# KiCad board IOT-Mess-Sens-Panelized.kicad_pcb (continued)
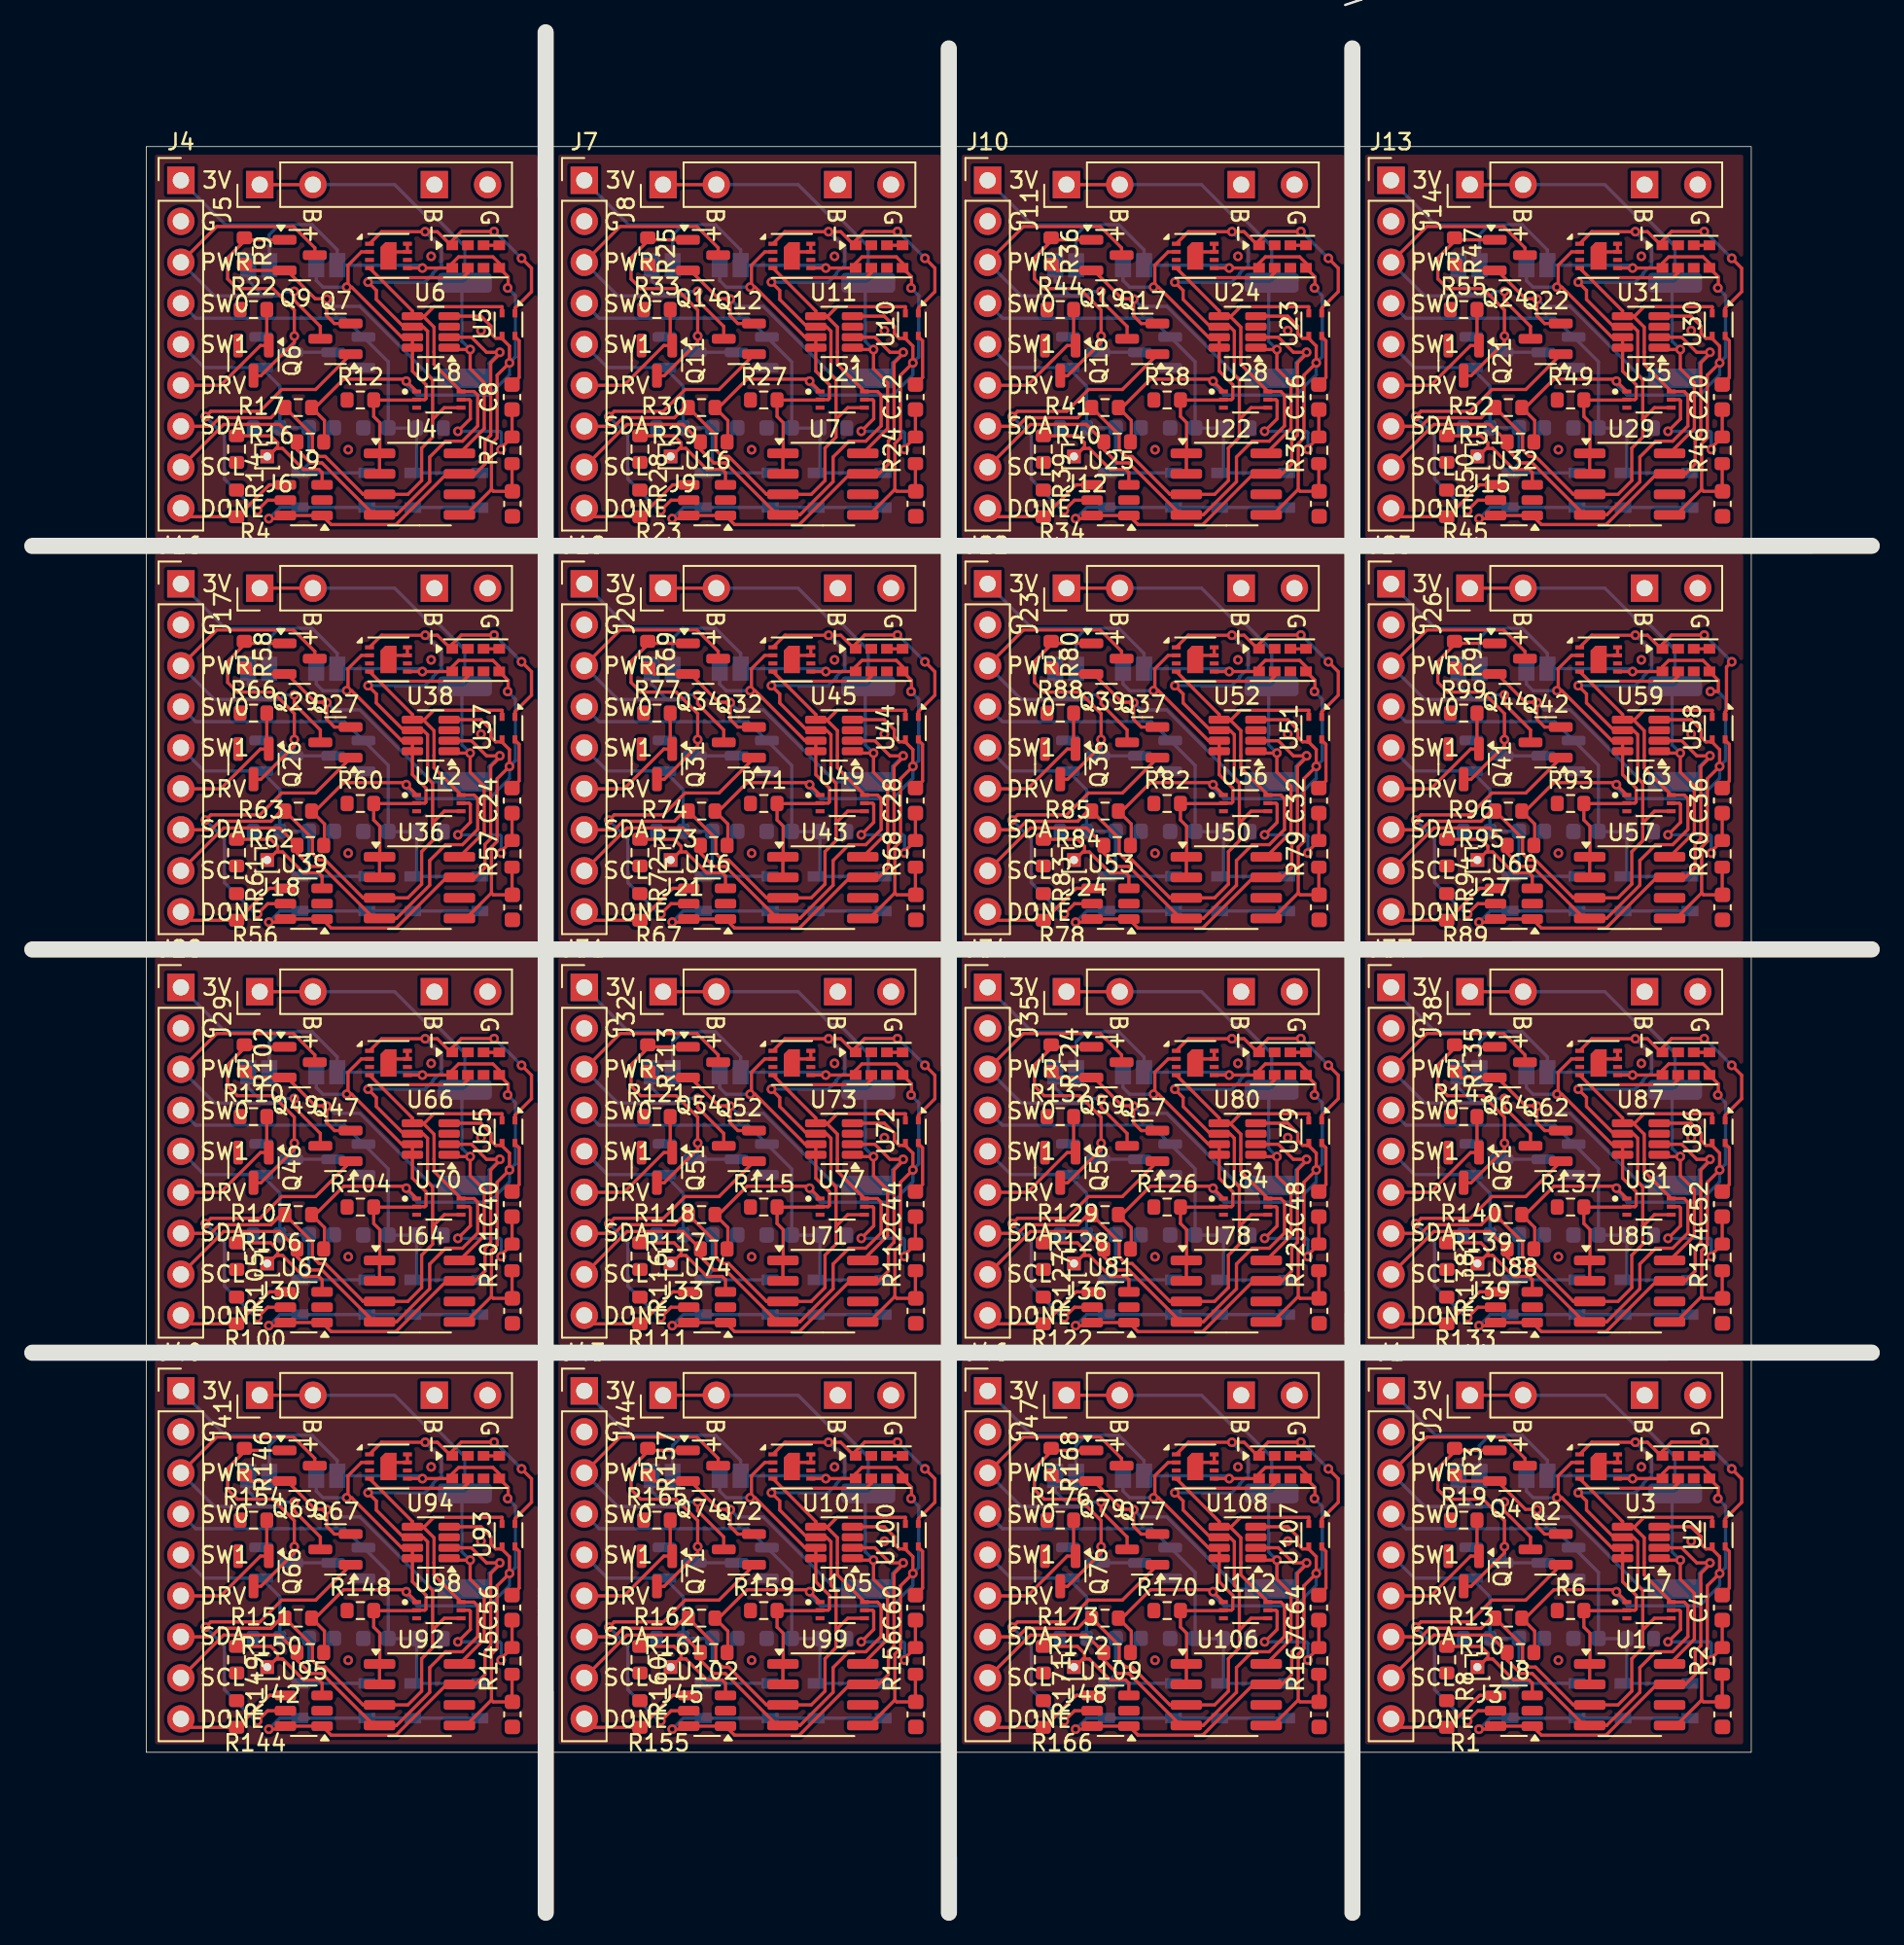
[diagram p0: board, top side]
## Footprints (pads in the part's own frame, mm; a bottom-side part is the same pattern mirrored in y, then rotated)
Avago_APDS-9960
  rect 0.72x0.6 smd: 1(-1.455,0.7) 2(-0.485,0.7) 3(0.485,0.7) 4(1.455,0.7) 5(1.455,-0.7) 6(0.485,-0.7) 7(-0.485,-0.7) 8(-1.455,-0.7)
C_0603_1608Metric
  rrect 0.9x0.95 smd: 1(-0.775,0) 2(0.775,0)
PinHeader_1x01_P1.00mm_Vertical
  rect 0.85x0.85 hole 0.5: 1(0,0)
PinHeader_1x09_P2.54mm_Vertical
  rect 1.7x1.7 hole 1: 1(0,0)
  round 1.7 hole 1: 2(0,-2.54) 3(0,-5.08) 4(0,-7.62) 5(0,-10.16) 6(0,-12.7) 7(0,-15.24) 8(0,-17.78) 9(0,-20.32)
R_0603_1608Metric
  rrect 0.8x0.95 smd: 1(-0.825,0) 2(0.825,0)
R_2512_6332Metric
  rrect 1.225x3.35 smd: 1(-2.962,0) 2(2.962,0)
Sensirion_DFN-4_1.5x1.5mm_P0.8mm_SHT4x_NoCentralPad
  rect 0.5x0.3 smd: 1(-0.7,0.4) 2(-0.7,-0.4) 3(0.7,-0.4) 4(0.7,0.4)
Sensirion_DFN-8-1EP_2.5x2.5mm_P0.5mm_EP1.1x1.7mm
  custom 0.9x1.6 smd: (0,0)
  rect 0.55x0.25 smd: 1(-1.175,0.75) 2(-1.175,0.25) 3(-1.175,-0.25) 4(-1.175,-0.75) 5(1.175,-0.75) 6(1.175,-0.25) 7(1.175,0.25) 8(1.175,0.75)
  custom 1x1.7 smd: 9(0,0)
SOIC-8_3.9x4.9mm_P1.27mm
  rrect 1.95x0.6 smd: 1(-2.475,1.905) 2(-2.475,0.635) 3(-2.475,-0.635) 4(-2.475,-1.905) 5(2.475,-1.905) 6(2.475,-0.635) 7(2.475,0.635) 8(2.475,1.905)
SolderJumper-2_P1.3mm_Open_Pad1.0x1.5mm
  rect 1x1.5 smd: 1(-0.65,0) 2(0.65,0)
SolderJumper-2_P1.3mm_Open_Pad1.0x1.5mm#2
  rect 1x1.5 smd: 1(-0.65,0) 2(0.65,0)
SOT-23
  rrect 1.475x0.6 smd: 1(-0.938,0.95) 2(-0.938,-0.95) 3(0.938,0)
SOT-23-6
  rrect 1.325x0.6 smd: 1(-1.137,0.95) 2(-1.137,0) 3(-1.137,-0.95) 4(1.137,-0.95) 5(1.137,0) 6(1.137,0.95)
SOT-23-8
  rrect 1.325x0.5 smd: 1(-1.137,0.975) 2(-1.137,0.325) 3(-1.137,-0.325) 4(-1.137,-0.975) 5(1.137,-0.975) 6(1.137,-0.325) 7(1.137,0.325) 8(1.137,0.975)
SW_SPST_PTS810
  rect 1.05x0.65 smd: 1(-2.075,1.075) 1(2.075,1.075) 2(-2.075,-1.075) 2(2.075,-1.075)
TP_Charger
  rect 1.7x1.7 hole 1: 1(0,0) 3(0,-10.825)
  round 1.7 hole 1: 2(0,-3.3) 4(0,-14.125)
XDCR_BH1750FVI-TR
  rect 0.55x0.25 smd: 1(-1.375,0.5) 2(-1.375,0) 3(-1.375,-0.5) 4(1.375,-0.5) 5(1.375,0) 6(1.375,0.5)

## Nets
+3.3V: C7.1 C11.1 C15.1 C19.1 C23.1 C27.1 C31.1 C35.1 C39.1 C43.1 C47.1 C51.1 C55.1 C59.1 C63.1 C67.1 J1.1 J4.1 J7.1 J10.1 J13.1 J16.1 J19.1 J22.1 J25.1 J28.1 J31.1 J34.1 J37.1 J40.1 J43.1 J46.1 JP4.2 JP5.2 JP6.2 JP7.2 JP8.2 JP9.2 JP10.2 JP11.2 JP12.2 JP13.2 JP14.2 JP15.2 JP16.2 JP17.2 JP18.2 JP19.2 JP20.2 JP21.2 JP22.2 JP23.2 JP24.2 JP25.2 JP26.2 JP27.2 JP28.2 JP29.2 JP30.2 JP31.2 JP32.2 JP33.2 JP34.2 JP35.2 R2.1 R7.1 R10.1 R13.2 R16.1 R17.2 R24.1 R29.1 R30.2 R35.1 R40.1 R41.2 R46.1 R51.1 R52.2 R57.1 R62.1 R63.2 R68.1 R73.1 R74.2 R79.1 R84.1 R85.2 R90.1 R95.1 R96.2 R101.1 R106.1 R107.2 R112.1 R117.1 R118.2 R123.1 R128.1 R129.2 R134.1 R139.1 R140.2 R145.1 R150.1 R151.2 R156.1 R161.1 R162.2 R167.1 R172.1 R173.2 U1.5 U2.3 U3.4 U4.5 U5.3 U6.4 U7.5 U10.3 U11.4 U12.5 U12.8 U13.5 U14.5 U14.8 U15.5 U17.1 U18.1 U19.5 U19.8 U20.5 U21.1 U22.5 U23.3 U24.4 U26.5 U26.8 U27.5 U28.1 U29.5 U30.3 U31.4 U33.5 U33.8 U34.5 U35.1 U36.5 U37.3 U38.4 U40.5 U40.8 U41.5 U42.1 U43.5 U44.3 U45.4 U47.5 U47.8 U48.5 U49.1 U50.5 U51.3 U52.4 U54.5 U54.8 U55.5 U56.1 U57.5 U58.3 U59.4 U61.5 U61.8 U62.5 U63.1 U64.5 U65.3 U66.4 U68.5 U68.8 U69.5 U70.1 U71.5 U72.3 U73.4 U75.5 U75.8 U76.5 U77.1 U78.5 U79.3 U80.4 U82.5 U82.8 U83.5 U84.1 U85.5 U86.3 U87.4 U89.5 U89.8 U90.5 U91.1 U92.5 U93.3 U94.4 U96.5 U96.8 U97.5 U98.1 U99.5 U100.3 U101.4 U103.5 U103.8 U104.5 U105.1 U106.5 U107.3 U108.4 U110.5 U110.8 U111.5 U112.1
GND: C4.2 C5.2 C6.2 C7.2 C8.2 C9.2 C10.2 C11.2 C12.2 C13.2 C14.2 C15.2 C16.2 C17.2 C18.2 C19.2 C20.2 C21.2 C22.2 C23.2 C24.2 C25.2 C26.2 C27.2 C28.2 C29.2 C30.2 C31.2 C32.2 C33.2 C34.2 C35.2 C36.2 C37.2 C38.2 C39.2 C40.2 C41.2 C42.2 C43.2 C44.2 C45.2 C46.2 C47.2 C48.2 C49.2 C50.2 C51.2 C52.2 C53.2 C54.2 C55.2 C56.2 C57.2 C58.2 C59.2 C60.2 C61.2 C62.2 C63.2 C64.2 C65.2 C66.2 C67.2 J1.2 J2.4 J4.2 J5.4 J7.2 J8.4 J10.2 J11.4 J13.2 J14.4 J16.2 J17.4 J19.2 J20.4 J22.2 J23.4 J25.2 J26.4 J28.2 J29.4 J31.2 J32.4 J34.2 J35.4 J37.2 J38.4 J40.2 J41.4 J43.2 J44.4 J46.2 J47.4 Q1.2 Q3.2 Q5.2 Q6.2 Q8.2 Q10.2 Q11.2 Q13.2 Q15.2 Q16.2 Q18.2 Q20.2 Q21.2 Q23.2 Q25.2 Q26.2 Q28.2 Q30.2 Q31.2 Q33.2 Q35.2 Q36.2 Q38.2 Q40.2 Q41.2 Q43.2 Q45.2 Q46.2 Q48.2 Q50.2 Q51.2 Q53.2 Q55.2 Q56.2 Q58.2 Q60.2 Q61.2 Q63.2 Q65.2 Q66.2 Q68.2 Q70.2 Q71.2 Q73.2 Q75.2 Q76.2 Q78.2 Q80.2 R1.1 R4.1 R5.1 R6.1 R8.1 R11.1 R12.1 R14.1 R18.1 R19.1 R21.1 R22.1 R23.1 R26.1 R27.1 R28.1 R32.1 R33.1 R34.1 R37.1 R38.1 R39.1 R43.1 R44.1 R45.1 R48.1 R49.1 R50.1 R54.1 R55.1 R56.1 R59.1 R60.1 R61.1 R65.1 R66.1 R67.1 R70.1 R71.1 R72.1 R76.1 R77.1 R78.1 R81.1 R82.1 R83.1 R87.1 R88.1 R89.1 R92.1 R93.1 R94.1 R98.1 R99.1 R100.1 R103.1 R104.1 R105.1 R109.1 R110.1 R111.1 R114.1 R115.1 R116.1 R120.1 R121.1 R122.1 R125.1 R126.1 R127.1 R131.1 R132.1 R133.1 R136.1 R137.1 R138.1 R142.1 R143.1 R144.1 R147.1 R148.1 R149.1 R153.1 R154.1 R155.1 R158.1 R159.1 R160.1 R164.1 R165.1 R166.1 R169.1 R170.1 R171.1 R175.1 R176.1 U1.6 U2.4 U3.3 U4.6 U5.4 U6.3 U7.6 U8.2 U9.2 U10.4 U11.3 U12.6 U13.7 U13.8 U13.9 U14.6 U15.7 U15.8 U15.9 U16.2 U17.3 U18.3 U19.6 U20.7 U20.8 U20.9 U21.3 U22.6 U23.4 U24.3 U25.2 U26.6 U27.7 U27.8 U27.9 U28.3 U29.6 U30.4 U31.3 U32.2 U33.6 U34.7 U34.8 U34.9 U35.3 U36.6 U37.4 U38.3 U39.2 U40.6 U41.7 U41.8 U41.9 U42.3 U43.6 U44.4 U45.3 U46.2 U47.6 U48.7 U48.8 U48.9 U49.3 U50.6 U51.4 U52.3 U53.2 U54.6 U55.7 U55.8 U55.9 U56.3 U57.6 U58.4 U59.3 U60.2 U61.6 U62.7 U62.8 U62.9 U63.3 U64.6 U65.4 U66.3 U67.2 U68.6 U69.7 U69.8 U69.9 U70.3 U71.6 U72.4 U73.3 U74.2 U75.6 U76.7 U76.8 U76.9 U77.3 U78.6 U79.4 U80.3 U81.2 U82.6 U83.7 U83.8 U83.9 U84.3 U85.6 U86.4 U87.3 U88.2 U89.6 U90.7 U90.8 U90.9 U91.3 U92.6 U93.4 U94.3 U95.2 U96.6 U97.7 U97.8 U97.9 U98.3 U99.6 U100.4 U101.3 U102.2 U103.6 U104.7 U104.8 U104.9 U105.3 U106.6 U107.4 U108.3 U109.2 U110.6 U111.7 U111.8 U111.9 U112.3
ADDR: JP4.1 JP6.1 JP8.1 JP10.1 JP12.1 JP14.1 JP16.1 JP18.1 JP20.1 JP22.1 JP24.1 JP26.1 JP28.1 JP30.1 JP32.1 JP34.1 R6.2 R12.2 R27.2 R38.2 R49.2 R60.2 R71.2 R82.2 R93.2 R104.2 R115.2 R126.2 R137.2 R148.2 R159.2 R170.2 U1.1 U1.2 U3.7 U3.8 U4.1 U4.2 U6.7 U6.8 U7.1 U7.2 U11.7 U11.8 U13.2 U15.2 U17.2 U18.2 U20.2 U21.2 U22.1 U22.2 U24.7 U24.8 U27.2 U28.2 U29.1 U29.2 U31.7 U31.8 U34.2 U35.2 U36.1 U36.2 U38.7 U38.8 U41.2 U42.2 U43.1 U43.2 U45.7 U45.8 U48.2 U49.2 U50.1 U50.2 U52.7 U52.8 U55.2 U56.2 U57.1 U57.2 U59.7 U59.8 U62.2 U63.2 U64.1 U64.2 U66.7 U66.8 U69.2 U70.2 U71.1 U71.2 U73.7 U73.8 U76.2 U77.2 U78.1 U78.2 U80.7 U80.8 U83.2 U84.2 U85.1 U85.2 U87.7 U87.8 U90.2 U91.2 U92.1 U92.2 U94.7 U94.8 U97.2 U98.2 U99.1 U99.2 U101.7 U101.8 U104.2 U105.2 U106.1 U106.2 U108.7 U108.8 U111.2 U112.2
DONE: J1.9 J4.9 J7.9 J10.9 J13.9 J16.9 J19.9 J22.9 J25.9 J28.9 J31.9 J34.9 J37.9 J40.9 J43.9 J46.9 R1.2 R4.2 R23.2 R34.2 R45.2 R56.2 R67.2 R78.2 R89.2 R100.2 R111.2 R122.2 R133.2 R144.2 R155.2 R166.2 U8.4 U9.4 U16.4 U25.4 U32.4 U39.4 U46.4 U53.4 U60.4 U67.4 U74.4 U81.4 U88.4 U95.4 U102.4 U109.4
EN: J1.6 J4.6 J7.6 J10.6 J13.6 J16.6 J19.6 J22.6 J25.6 J28.6 J31.6 J34.6 J37.6 J40.6 J43.6 J46.6 Q1.1 Q6.1 Q11.1 Q16.1 Q21.1 Q26.1 Q31.1 Q36.1 Q41.1 Q46.1 Q51.1 Q56.1 Q61.1 Q66.1 Q71.1 Q76.1 R19.2 R22.2 R33.2 R44.2 R55.2 R66.2 R77.2 R88.2 R99.2 R110.2 R121.2 R132.2 R143.2 R154.2 R165.2 R176.2
LSW0: C6.1 C10.1 C14.1 C18.1 C22.1 C26.1 C30.1 C34.1 C38.1 C42.1 C46.1 C50.1 C54.1 C58.1 C62.1 C66.1 J1.4 J4.4 J7.4 J10.4 J13.4 J16.4 J19.4 J22.4 J25.4 J28.4 J31.4 J34.4 J37.4 J40.4 J43.4 J46.4 Q5.1 Q10.1 Q15.1 Q20.1 Q25.1 Q30.1 Q35.1 Q40.1 Q45.1 Q50.1 Q55.1 Q60.1 Q65.1 Q70.1 Q75.1 Q80.1 R18.2 R21.2 R32.2 R43.2 R54.2 R65.2 R76.2 R87.2 R98.2 R109.2 R120.2 R131.2 R142.2 R153.2 R164.2 R175.2 SW2.2 SW4.2 SW6.2 SW8.2 SW10.2 SW12.2 SW14.2 SW16.2 SW18.2 SW20.2 SW22.2 SW24.2 SW26.2 SW28.2 SW30.2 SW32.2
LSW1: C5.1 C9.1 C13.1 C17.1 C21.1 C25.1 C29.1 C33.1 C37.1 C41.1 C45.1 C49.1 C53.1 C57.1 C61.1 C65.1 J1.5 J4.5 J7.5 J10.5 J13.5 J16.5 J19.5 J22.5 J25.5 J28.5 J31.5 J34.5 J37.5 J40.5 J43.5 J46.5 Q3.1 Q8.1 Q13.1 Q18.1 Q23.1 Q28.1 Q33.1 Q38.1 Q43.1 Q48.1 Q53.1 Q58.1 Q63.1 Q68.1 Q73.1 Q78.1 R5.2 R11.2 R26.2 R37.2 R48.2 R59.2 R70.2 R81.2 R92.2 R103.2 R114.2 R125.2 R136.2 R147.2 R158.2 R169.2 SW3.2 SW5.2 SW7.2 SW9.2 SW11.2 SW13.2 SW15.2 SW17.2 SW19.2 SW21.2 SW23.2 SW25.2 SW27.2 SW29.2 SW31.2 SW33.2
PWR: J1.3 J4.3 J7.3 J10.3 J13.3 J16.3 J19.3 J22.3 J25.3 J28.3 J31.3 J34.3 J37.3 J40.3 J43.3 J46.3 JP5.1 JP7.1 JP9.1 JP11.1 JP13.1 JP15.1 JP17.1 JP19.1 JP21.1 JP23.1 JP25.1 JP27.1 JP29.1 JP31.1 JP33.1 JP35.1 Q2.3 Q4.3 Q7.3 Q9.3 Q12.3 Q14.3 Q17.3 Q19.3 Q22.3 Q24.3 Q27.3 Q29.3 Q32.3 Q34.3 Q37.3 Q39.3 Q42.3 Q44.3 Q47.3 Q49.3 Q52.3 Q54.3 Q57.3 Q59.3 Q62.3 Q64.3 Q67.3 Q69.3 Q72.3 Q74.3 Q77.3 Q79.3
SCL_0: J1.8 J4.8 J7.8 J10.8 J13.8 J16.8 J19.8 J22.8 J25.8 J28.8 J31.8 J34.8 J37.8 J40.8 J43.8 J46.8 R13.1 R17.1 R30.1 R41.1 R52.1 R63.1 R74.1 R85.1 R96.1 R107.1 R118.1 R129.1 R140.1 R151.1 R162.1 R173.1 U1.4 U2.2 U3.5 U4.4 U5.2 U6.5 U7.4 U10.2 U11.5 U12.7 U13.4 U14.7 U15.4 U17.6 U18.6 U19.7 U20.4 U21.6 U22.4 U23.2 U24.5 U26.7 U27.4 U28.6 U29.4 U30.2 U31.5 U33.7 U34.4 U35.6 U36.4 U37.2 U38.5 U40.7 U41.4 U42.6 U43.4 U44.2 U45.5 U47.7 U48.4 U49.6 U50.4 U51.2 U52.5 U54.7 U55.4 U56.6 U57.4 U58.2 U59.5 U61.7 U62.4 U63.6 U64.4 U65.2 U66.5 U68.7 U69.4 U70.6 U71.4 U72.2 U73.5 U75.7 U76.4 U77.6 U78.4 U79.2 U80.5 U82.7 U83.4 U84.6 U85.4 U86.2 U87.5 U89.7 U90.4 U91.6 U92.4 U93.2 U94.5 U96.7 U97.4 U98.6 U99.4 U100.2 U101.5 U103.7 U104.4 U105.6 U106.4 U107.2 U108.5 U110.7 U111.4 U112.6
SDA_0: J1.7 J4.7 J7.7 J10.7 J13.7 J16.7 J19.7 J22.7 J25.7 J28.7 J31.7 J34.7 J37.7 J40.7 J43.7 J46.7 R10.2 R16.2 R29.2 R40.2 R51.2 R62.2 R73.2 R84.2 R95.2 R106.2 R117.2 R128.2 R139.2 R150.2 R161.2 R172.2 U1.3 U2.1 U3.6 U4.3 U5.1 U6.6 U7.3 U10.1 U11.6 U12.1 U13.1 U14.1 U15.1 U17.4 U18.4 U19.1 U20.1 U21.4 U22.3 U23.1 U24.6 U26.1 U27.1 U28.4 U29.3 U30.1 U31.6 U33.1 U34.1 U35.4 U36.3 U37.1 U38.6 U40.1 U41.1 U42.4 U43.3 U44.1 U45.6 U47.1 U48.1 U49.4 U50.3 U51.1 U52.6 U54.1 U55.1 U56.4 U57.3 U58.1 U59.6 U61.1 U62.1 U63.4 U64.3 U65.1 U66.6 U68.1 U69.1 U70.4 U71.3 U72.1 U73.6 U75.1 U76.1 U77.4 U78.3 U79.1 U80.6 U82.1 U83.1 U84.4 U85.3 U86.1 U87.6 U89.1 U90.1 U91.4 U92.3 U93.1 U94.6 U96.1 U97.1 U98.4 U99.3 U100.1 U101.6 U103.1 U104.1 U105.4 U106.3 U107.1 U108.6 U110.1 U111.1 U112.4
Va: J2.1 J2.2 J5.1 J5.2 J8.1 J8.2 J11.1 J11.2 J14.1 J14.2 J17.1 J17.2 J20.1 J20.2 J23.1 J23.2 J26.1 J26.2 J29.1 J29.2 J32.1 J32.2 J35.1 J35.2 J38.1 J38.2 J41.1 J41.2 J44.1 J44.2 J47.1 J47.2 R15.2 R20.2 R31.2 R42.2 R53.2 R64.2 R75.2 R86.2 R97.2 R108.2 R119.2 R130.2 R141.2 R152.2 R163.2 R174.2 U1.8 U3.1 U4.8 U6.1 U7.8 U11.1 U22.8 U24.1 U29.8 U31.1 U36.8 U38.1 U43.8 U45.1 U50.8 U52.1 U57.8 U59.1 U64.8 U66.1 U71.8 U73.1 U78.8 U80.1 U85.8 U87.1 U92.8 U94.1 U99.8 U101.1 U106.8 U108.1
Vb: Q2.2 Q4.2 Q7.2 Q9.2 Q12.2 Q14.2 Q17.2 Q19.2 Q22.2 Q24.2 Q27.2 Q29.2 Q32.2 Q34.2 Q37.2 Q39.2 Q42.2 Q44.2 Q47.2 Q49.2 Q52.2 Q54.2 Q57.2 Q59.2 Q62.2 Q64.2 Q67.2 Q69.2 Q72.2 Q74.2 Q77.2 Q79.2 R3.1 R9.1 R15.1 R20.1 R25.1 R31.1 R36.1 R42.1 R47.1 R53.1 R58.1 R64.1 R69.1 R75.1 R80.1 R86.1 R91.1 R97.1 R102.1 R108.1 R113.1 R119.1 R124.1 R130.1 R135.1 R141.1 R146.1 R152.1 R157.1 R163.1 R168.1 R174.1 SW2.1 SW3.1 SW4.1 SW5.1 SW6.1 SW7.1 SW8.1 SW9.1 SW10.1 SW11.1 SW12.1 SW13.1 SW14.1 SW15.1 SW16.1 SW17.1 SW18.1 SW19.1 SW20.1 SW21.1 SW22.1 SW23.1 SW24.1 SW25.1 SW26.1 SW27.1 SW28.1 SW29.1 SW30.1 SW31.1 SW32.1 SW33.1 U1.7 U3.2 U4.7 U6.2 U7.7 U8.1 U8.6 U9.1 U9.6 U11.2 U16.1 U16.6 U22.7 U24.2 U25.1 U25.6 U29.7 U31.2 U32.1 U32.6 U36.7 U38.2 U39.1 U39.6 U43.7 U45.2 U46.1 U46.6 U50.7 U52.2 U53.1 U53.6 U57.7 U59.2 U60.1 U60.6 U64.7 U66.2 U67.1 U67.6 U71.7 U73.2 U74.1 U74.6 U78.7 U80.2 U81.1 U81.6 U85.7 U87.2 U88.1 U88.6 U92.7 U94.2 U95.1 U95.6 U99.7 U101.2 U102.1 U102.6 U106.7 U108.2 U109.1 U109.6
Net-(J3-Pin_1): J3.1 J6.1 J9.1 J12.1 J15.1 J18.1 J21.1 J24.1 J27.1 J30.1 J33.1 J36.1 J39.1 J42.1 J45.1 J48.1 R8.2 R14.2 R28.2 R39.2 R50.2 R61.2 R72.2 R83.2 R94.2 R105.2 R116.2 R127.2 R138.2 R149.2 R160.2 R171.2 U8.3 U9.3 U16.3 U25.3 U32.3 U39.3 U46.3 U53.3 U60.3 U67.3 U74.3 U81.3 U88.3 U95.3 U102.3 U109.3
Net-(Q1-D): Q1.3 Q3.3 Q4.1 Q5.3 Q6.3 Q8.3 Q9.1 Q10.3 Q11.3 Q13.3 Q14.1 Q15.3 Q16.3 Q18.3 Q19.1 Q20.3 Q21.3 Q23.3 Q24.1 Q25.3 Q26.3 Q28.3 Q29.1 Q30.3 Q31.3 Q33.3 Q34.1 Q35.3 Q36.3 Q38.3 Q39.1 Q40.3 Q41.3 Q43.3 Q44.1 Q45.3 Q46.3 Q48.3 Q49.1 Q50.3 Q51.3 Q53.3 Q54.1 Q55.3 Q56.3 Q58.3 Q59.1 Q60.3 Q61.3 Q63.3 Q64.1 Q65.3 Q66.3 Q68.3 Q69.1 Q70.3 Q71.3 Q73.3 Q74.1 Q75.3 Q76.3 Q78.3 Q79.1 Q80.3 R3.2 R9.2 R25.2 R36.2 R47.2 R58.2 R69.2 R80.2 R91.2 R102.2 R113.2 R124.2 R135.2 R146.2 R157.2 R168.2
Net-(Q2-G): Q2.1 Q7.1 Q12.1 Q17.1 Q22.1 Q27.1 Q32.1 Q37.1 Q42.1 Q47.1 Q52.1 Q57.1 Q62.1 Q67.1 Q72.1 Q77.1 U8.5 U9.5 U16.5 U25.5 U32.5 U39.5 U46.5 U53.5 U60.5 U67.5 U74.5 U81.5 U88.5 U95.5 U102.5 U109.5
Net-(U12-LDR): U12.3 U12.4 U14.3 U14.4 U19.3 U19.4 U26.3 U26.4 U33.3 U33.4 U40.3 U40.4 U47.3 U47.4 U54.3 U54.4 U61.3 U61.4 U68.3 U68.4 U75.3 U75.4 U82.3 U82.4 U89.3 U89.4 U96.3 U96.4 U103.3 U103.4 U110.3 U110.4
Net-(U17-DVI): C4.1 C8.1 C12.1 C16.1 C20.1 C24.1 C28.1 C32.1 C36.1 C40.1 C44.1 C48.1 C52.1 C56.1 C60.1 C64.1 R2.2 R7.2 R24.2 R35.2 R46.2 R57.2 R68.2 R79.2 R90.2 R101.2 R112.2 R123.2 R134.2 R145.2 R156.2 R167.2 U17.5 U18.5 U21.5 U28.5 U35.5 U42.5 U49.5 U56.5 U63.5 U70.5 U77.5 U84.5 U91.5 U98.5 U105.5 U112.5

Pads without a net: J2 3; J5 3; J8 3; J11 3; J14 3; J17 3; J20 3; J23 3; J26 3; J29 3; J32 3; J35 3; J38 3; J41 3; J44 3; J47 3; U12 2; U13 3 6; U14 2; U15 3 6; U19 2; U20 3 6; U26 2; U27 3 6; U33 2; U34 3 6; U40 2; U41 3 6; U47 2; U48 3 6; U54 2; U55 3 6; U61 2; U62 3 6; U68 2; U69 3 6; U75 2; U76 3 6; U82 2; U83 3 6; U89 2; U90 3 6; U96 2; U97 3 6; U103 2; U104 3 6; U110 2; U111 3 6

## Via types
v1: diameter 0.6, hole 0.3, Top to Bottom, 352 vias

## Routing (per net, layer and track width the routed paths; a pad name or vN(x,y) marks a point on that pad's centre or on a via; arc(x,y) is an arc through that point)
+3.3V: length 1148.6
  Top w0.2: U43.5 51.88,61.6 53.46,63.18 ; U15.5 v1(24.18,101.9) 26.02,101.9 U14.8 26.03,102.19 26.42,102.59 28.55,102.59 28.94,102.19 U14.5 29.49,101.35 29.49,100.69 v1(29.46,100.66) ; U70.1 v1(23.18,44.89) 23.05,45.01 19.3,45.01 17.54,43.25 R106.1 18.11,42.45 18.11,41.42 18.01,41.32 ; 103.46,63.18 103.57,63.06 C39.1 104.73,63.08 R90.1 ; 103.46,63.18 103.46,66.02 103.81,66.37 103.81,70.26 v1(104.57,71.02) 104.57,72.06 104.11,72.52 U58.3 104.11,72.65 104.01,72.54 103.72,72.54 103.43,72.84 103.43,73.3 102.81,73.91 U59.4 ; 103.46,63.18 101.88,61.6 U57.5 ; R7.1 29.73,88.08 C11.1 28.57,88.06 28.46,88.18 ; U29.5 101.88,86.6 103.46,88.18 ; U85.5 101.88,36.6 103.46,38.18 ; R167.1 79.73,13.08 C67.1 78.57,13.06 78.46,13.18 ; U11.4 52.81,98.91 53.43,98.3 53.43,97.84 53.72,97.54 54.01,97.54 54.11,97.65 U10.3 54.11,97.52 54.57,97.06 v1(54.57,96.02) 53.81,95.26 53.81,91.37 53.46,91.02 53.46,88.18 ; U42.1 v1(23.18,69.89) 23.05,70.01 19.3,70.01 17.54,68.25 R62.1 18.11,67.45 18.11,66.42 18.01,66.32 ; R24.1 54.73,88.08 C15.1 53.57,88.06 53.46,88.18 ; 78.46,88.18 78.57,88.06 C19.1 79.73,88.08 R35.1 ; 78.46,88.18 78.46,91.02 78.81,91.37 78.81,95.26 v1(79.57,96.02) 79.57,97.06 79.11,97.52 U23.3 79.11,97.65 79.01,97.54 78.72,97.54 78.43,97.84 78.43,98.3 77.81,98.91 U24.4 ; 78.46,88.18 76.88,86.6 U22.5 ; U87.4 102.81,48.91 103.43,48.3 103.43,47.84 103.72,47.54 104.01,47.54 104.11,47.65 U86.3 104.11,47.52 104.57,47.06 v1(104.57,46.02) 103.81,45.26 103.81,41.37 103.46,41.02 103.46,38.18 ; R46.1 104.73,88.08 C23.1 103.57,88.06 103.46,88.18 ; U66.4 27.81,48.91 28.42,48.3 28.42,47.84 28.72,47.54 29.01,47.54 29.11,47.65 U65.3 29.11,47.52 29.57,47.06 v1(29.57,46.02) 28.81,45.26 28.81,41.37 28.46,41.02 28.46,38.18 ; 103.46,38.18 103.57,38.06 C55.1 104.73,38.08 R134.1 ; v1(79.46,50.66) 79.49,50.69 79.49,51.35 U82.5 78.94,52.19 78.55,52.59 76.42,52.59 76.03,52.19 U82.8 76.02,51.9 v1(74.18,51.9) U83.5 ; v1(79.46,75.66) 79.49,75.69 79.49,76.35 U54.5 78.94,77.19 78.55,77.59 76.42,77.59 76.03,77.19 U54.8 76.02,76.9 v1(74.18,76.9) U55.5 ; U18.1 v1(23.18,94.89) 23.05,95.01 19.3,95.01 17.54,93.25 R16.1 18.11,92.45 18.11,91.42 18.01,91.32 ; 28.46,63.18 28.46,66.02 28.81,66.37 28.81,70.26 v1(29.57,71.02) 29.57,72.06 29.11,72.52 U37.3 29.11,72.65 29.01,72.54 28.72,72.54 28.42,72.84 28.42,73.3 27.81,73.91 U38.4 ; 28.46,63.18 26.88,61.6 U36.5 ; 28.46,63.18 28.57,63.06 C27.1 29.73,63.08 R57.1 ; 93.01,41.32 93.11,41.42 93.11,42.45 R139.1 92.54,43.25 94.3,45.01 98.05,45.01 v1(98.18,44.89) U91.1 ; R68.1 54.73,63.08 C31.1 53.57,63.06 53.46,63.18 ; v1(104,75.66) 104.46,75.66 104.49,75.69 104.49,76.35 U61.5 103.94,77.19 103.55,77.59 101.42,77.59 101.03,77.19 U61.8 101.02,76.9 v1(99.18,76.9) U62.5 ; R112.1 54.73,38.08 C47.1 53.57,38.06 53.46,38.18 ; 53.46,13.18 51.88,11.6 U99.5 ; 53.46,13.18 53.57,13.06 C63.1 54.73,13.08 R156.1 ; 53.46,13.18 53.46,16.02 53.81,16.37 53.81,20.26 v1(54.57,21.02) 54.57,22.06 54.11,22.52 U100.3 54.11,22.65 54.01,22.54 53.72,22.54 53.43,22.84 53.43,23.29 52.81,23.91 U101.4 ; U78.5 76.88,36.6 78.46,38.18 ; v1(54.46,50.66) 54.49,50.69 54.49,51.35 U75.5 53.94,52.19 53.55,52.59 51.42,52.59 51.03,52.19 U75.8 51.02,51.9 v1(49.18,51.9) U76.5 ; 28.46,88.18 26.88,86.6 U4.5 ; 28.46,88.18 28.46,91.02 28.81,91.37 28.81,95.26 v1(29.57,96.02) 29.57,97.06 29.11,97.52 U5.3 29.11,97.65 29.01,97.54 28.72,97.54 28.42,97.84 28.42,98.3 27.81,98.91 U6.4 ; U64.5 26.88,36.6 28.46,38.18 ; U97.5 v1(24.18,26.9) 26.02,26.9 U96.8 26.03,27.19 26.42,27.59 28.55,27.59 28.94,27.19 U96.5 29.49,26.35 29.49,25.69 v1(29.46,25.66) ; U34.5 v1(99.18,101.9) 101.02,101.9 U33.8 101.03,102.19 101.42,102.59 103.55,102.59 103.94,102.19 U33.5 104.49,101.35 104.49,100.69 v1(104.46,100.66) ; 103.46,13.18 101.88,11.6 U1.5 ; 103.46,13.18 103.46,16.02 103.81,16.37 103.81,20.26 v1(104.57,21.02) 104.57,22.06 104.11,22.52 U2.3 104.11,22.65 104.01,22.54 103.72,22.54 103.43,22.84 103.43,23.29 102.81,23.91 U3.4 ; 103.46,13.18 103.57,13.06 C7.1 104.73,13.08 R2.1 ; 68.01,16.32 68.11,16.42 68.11,17.45 R172.1 67.54,18.25 69.3,20.01 73.05,20.01 v1(73.18,19.89) U112.1 ; 43.01,16.32 43.11,16.42 43.11,17.45 R161.1 42.54,18.25 44.3,20.01 48.05,20.01 v1(48.18,19.89) U105.1 ; 53.46,88.18 51.88,86.6 U7.5 ; U94.4 27.81,23.91 28.42,23.29 28.42,22.84 28.72,22.54 29.01,22.54 29.11,22.65 U93.3 29.11,22.52 29.57,22.06 v1(29.57,21.02) 28.81,20.26 28.81,16.37 28.46,16.02 28.46,13.18 ; U13.5 v1(99.18,26.9) 101.02,26.9 U12.8 101.03,27.19 101.42,27.59 103.55,27.59 103.94,27.19 U12.5 104.49,26.35 104.49,25.69 v1(104.46,25.66) ; 28.46,38.18 28.57,38.06 C43.1 29.73,38.08 R101.1 ; 93.01,16.32 93.11,16.42 93.11,17.45 R10.1 92.54,18.25 94.3,20.01 98.05,20.01 v1(98.18,19.89) U17.1 ; 43.01,66.32 43.11,66.42 43.11,67.45 R73.1 42.54,68.25 44.3,70.01 48.05,70.01 v1(48.18,69.89) U49.1 ; U98.1 v1(23.18,19.89) 23.05,20.01 19.3,20.01 17.54,18.25 R150.1 18.11,17.45 18.11,16.42 18.01,16.32 ; v1(54.46,25.66) 54.49,25.69 54.49,26.35 U103.5 53.94,27.19 53.55,27.59 51.42,27.59 51.03,27.19 U103.8 51.02,26.9 v1(49.18,26.9) U104.5 ; U69.5 v1(24.18,51.9) 26.02,51.9 U68.8 26.03,52.19 26.42,52.59 28.55,52.59 28.94,52.19 U68.5 29.49,51.35 29.49,50.69 v1(29.46,50.66) ; 43.01,41.32 43.11,41.42 43.11,42.45 R117.1 42.54,43.25 44.3,45.01 48.05,45.01 v1(48.18,44.89) U77.1 ; 78.46,13.18 76.88,11.6 U106.5 ; 78.46,13.18 78.46,16.02 78.81,16.37 78.81,20.26 v1(79.57,21.02) 79.57,22.06 79.11,22.52 U107.3 79.11,22.65 79.01,22.54 78.72,22.54 78.43,22.84 78.43,23.29 77.81,23.91 U108.4 ; 78.46,63.18 76.88,61.6 U50.5 ; 78.46,63.18 78.46,66.02 78.81,66.37 78.81,70.26 v1(79.57,71.02) 79.57,72.06 79.11,72.52 U51.3 79.11,72.65 79.01,72.54 78.72,72.54 78.43,72.84 78.43,73.3 77.81,73.91 U52.4 ; 78.46,63.18 78.57,63.06 C35.1 79.73,63.08 R79.1 ; 78.46,38.18 78.57,38.06 C51.1 79.73,38.08 R123.1 ; 78.46,38.18 78.46,41.02 78.81,41.37 78.81,45.26 v1(79.57,46.02) 79.57,47.06 79.11,47.52 U79.3 79.11,47.65 79.01,47.54 78.72,47.54 78.43,47.84 78.43,48.3 77.81,48.91 U80.4 ; 103.46,88.18 103.46,91.02 103.81,91.37 103.81,95.26 v1(104.57,96.02) 104.57,97.06 104.11,97.52 U30.3 104.11,97.65 104.01,97.54 103.72,97.54 103.43,97.84 103.43,98.3 102.81,98.91 U31.4 ; U90.5 v1(99.18,51.9) 101.02,51.9 U89.8 101.03,52.19 101.42,52.59 103.55,52.59 103.94,52.19 U89.5 104.49,51.35 104.49,50.69 v1(104.46,50.66) ; U84.1 v1(73.18,44.89) 73.05,45.01 69.3,45.01 67.54,43.25 R128.1 68.11,42.45 68.11,41.42 68.01,41.32 ; U45.4 52.81,73.91 53.43,73.3 53.43,72.84 53.72,72.54 54.01,72.54 54.11,72.65 U44.3 54.11,72.52 54.57,72.06 v1(54.57,71.02) 53.81,70.26 53.81,66.37 53.46,66.02 53.46,63.18 ; U56.1 v1(73.18,69.89) 73.05,70.01 69.3,70.01 67.54,68.25 R84.1 68.11,67.45 68.11,66.42 68.01,66.32 ; U63.1 v1(98.18,69.89) 98.05,70.01 94.3,70.01 92.54,68.25 R95.1 93.11,67.45 93.11,66.42 93.01,66.32 ; 68.01,91.32 68.11,91.42 68.11,92.45 R40.1 67.54,93.25 69.3,95.01 73.05,95.01 v1(73.18,94.89) U28.1 ; U21.1 v1(48.18,94.89) 48.05,95.01 44.3,95.01 42.54,93.25 R29.1 43.11,92.45 43.11,91.42 43.01,91.32 ; v1(29.46,75.66) 29.49,75.69 29.49,76.35 U40.5 28.94,77.19 28.55,77.59 26.42,77.59 26.03,77.19 U40.8 26.02,76.9 v1(24.18,76.9) U41.5 ; 93.01,91.32 93.11,91.42 93.11,92.45 R51.1 92.54,93.25 94.3,95.01 98.05,95.01 v1(98.18,94.89) U35.1 ; U92.5 26.88,11.6 28.46,13.18 ; U20.5 v1(49.18,101.9) 51.02,101.9 U19.8 51.03,102.19 51.42,102.59 53.55,102.59 53.94,102.19 U19.5 54.49,101.35 54.49,100.69 v1(54.46,100.66) ; U48.5 v1(49.18,76.9) 51.02,76.9 U47.8 51.03,77.19 51.42,77.59 53.55,77.59 53.94,77.19 U47.5 54.49,76.35 54.49,75.69 v1(54.46,75.66) ; v1(79.46,100.66) 79.49,100.69 79.49,101.35 U26.5 78.94,102.19 78.55,102.59 76.42,102.59 76.03,102.19 U26.8 76.02,101.9 v1(74.18,101.9) U27.5 ; v1(79.46,25.66) 79.49,25.69 79.49,26.35 U110.5 78.94,27.19 78.55,27.59 76.42,27.59 76.03,27.19 U110.8 76.02,26.9 v1(74.18,26.9) U111.5 ; 28.46,13.18 28.57,13.06 C59.1 29.73,13.08 R145.1 ; U73.4 52.81,48.91 53.43,48.3 53.43,47.84 53.72,47.54 54.01,47.54 54.11,47.65 U72.3 54.11,47.52 54.57,47.06 v1(54.57,46.02) 53.81,45.26 53.81,41.37 53.46,41.02 53.46,38.18 ; 53.46,38.18 51.88,36.6 U71.5
  Bottom w0.2: 40.32,54.58 42.34,54.58 43.9,53.02 JP24.2 49.01,52.07 v1(49.18,51.9) ; 40.32,54.58 39.69,53.95 JP25.2 ; 40.32,54.58 36.96,54.58 J31.1 ; v1(74.18,76.9) 74.01,77.07 JP18.2 68.9,78.02 67.34,79.58 65.32,79.58 ; JP17.2 39.69,78.95 40.32,79.58 ; v1(49.18,76.9) 49.01,77.07 JP16.2 43.9,78.02 42.34,79.58 40.32,79.58 ; JP15.2 14.69,78.95 15.32,79.58 ; JP11.2 64.69,103.95 65.32,104.58 ; 90.32,79.58 89.69,78.95 JP21.2 ; 90.32,79.58 92.34,79.58 93.9,78.02 JP20.2 99.01,77.07 v1(99.18,76.9) ; 90.32,79.58 86.96,79.58 J25.1 ; 15.32,54.58 14.69,53.95 JP23.2 ; 15.32,54.58 11.96,54.58 J28.1 ; 15.32,54.58 17.34,54.58 18.9,53.02 JP22.2 24.01,52.07 v1(24.18,51.9) ; JP27.2 64.69,53.95 65.32,54.58 ; JP19.2 64.69,78.95 65.32,79.58 ; JP31.2 14.69,28.95 15.32,29.58 ; J10.1 61.96,104.58 65.32,104.58 ; 40.32,79.58 36.96,79.58 J19.1 ; 15.32,29.58 11.96,29.58 J40.1 ; 15.32,29.58 17.34,29.58 18.9,28.02 JP30.2 24.01,27.07 v1(24.18,26.9) ; 40.32,29.58 42.34,29.58 43.9,28.02 JP32.2 49.01,27.07 v1(49.18,26.9) ; 40.32,29.58 36.96,29.58 J43.1 ; 40.32,29.58 39.69,28.95 JP33.2 ; JP5.2 89.69,28.95 90.32,29.58 ; J37.1 86.96,54.58 90.32,54.58 ; v1(48.18,94.89) 48.18,94.68 48.84,94.02 53.31,94.02 53.43,94.14 53.47,94.14 53.79,94.46 53.79,94.5 54.57,95.28 v1(54.57,96.02) 54.94,96.39 54.94,100.18 v1(54.46,100.66) ; 65.32,54.58 61.96,54.58 J34.1 ; 65.32,54.58 67.34,54.58 68.9,53.02 JP26.2 74.01,52.07 v1(74.18,51.9) ; v1(98.18,44.89) 98.18,44.68 98.84,44.02 103.31,44.02 103.43,44.14 103.47,44.14 103.79,44.46 103.79,44.5 104.57,45.28 v1(104.57,46.02) 104.94,46.39 104.94,50.18 v1(104.46,50.66) ; JP29.2 89.69,53.95 90.32,54.58 ; v1(54.46,75.66) 54.94,75.18 54.94,71.39 v1(54.57,71.02) 54.57,70.28 53.79,69.5 53.79,69.46 53.47,69.14 53.43,69.14 53.31,69.02 48.84,69.02 48.18,69.68 v1(48.18,69.89) ; v1(29.46,25.66) 29.94,25.18 29.94,21.39 v1(29.57,21.02) 29.57,20.28 28.79,19.5 28.79,19.46 28.47,19.14 28.43,19.14 28.31,19.02 23.84,19.02 23.18,19.68 v1(23.18,19.89) ; v1(99.18,101.9) 99.01,102.07 JP12.2 93.9,103.02 92.34,104.58 90.32,104.58 ; 90.32,54.58 92.34,54.58 93.9,53.02 JP28.2 99.01,52.07 v1(99.18,51.9) ; v1(29.46,75.66) 29.94,75.18 29.94,71.39 v1(29.57,71.02) 29.57,70.28 28.79,69.5 28.79,69.46 28.47,69.14 28.43,69.14 28.31,69.02 23.84,69.02 23.18,69.68 v1(23.18,69.89) ; v1(29.46,100.66) 29.94,100.18 29.94,96.39 v1(29.57,96.02) 29.57,95.28 28.79,94.5 28.79,94.46 28.47,94.14 28.43,94.14 28.31,94.02 23.84,94.02 23.18,94.68 v1(23.18,94.89) ; v1(54.46,50.66) 54.94,50.18 54.94,46.39 v1(54.57,46.02) 54.57,45.28 53.79,44.5 53.79,44.46 53.47,44.14 53.43,44.14 53.31,44.02 48.84,44.02 48.18,44.68 v1(48.18,44.89) ; 40.32,104.58 39.69,103.95 JP9.2 ; 40.32,104.58 42.34,104.58 43.9,103.02 JP8.2 49.01,102.07 v1(49.18,101.9) ; 40.32,104.58 36.96,104.58 J7.1 ; 65.32,104.58 67.34,104.58 68.9,103.02 JP10.2 74.01,102.07 v1(74.18,101.9) ; v1(104.46,100.66) 104.94,100.18 104.94,96.39 v1(104.57,96.02) 104.57,95.28 103.79,94.5 103.79,94.46 103.47,94.14 103.43,94.14 103.31,94.02 98.84,94.02 98.18,94.68 v1(98.18,94.89) ; v1(79.46,25.66) 79.94,25.18 79.94,21.39 v1(79.57,21.02) 79.57,20.28 78.79,19.5 78.79,19.46 78.47,19.14 78.43,19.14 78.31,19.02 73.84,19.02 73.18,19.68 v1(73.18,19.89) ; J4.1 11.96,104.58 15.32,104.58 ; v1(23.18,44.89) 23.18,44.68 23.84,44.02 28.31,44.02 28.43,44.14 28.47,44.14 28.79,44.46 28.79,44.5 29.57,45.28 v1(29.57,46.02) 29.94,46.39 29.94,50.18 v1(29.46,50.66) ; J16.1 11.96,79.58 15.32,79.58 ; J46.1 61.96,29.58 65.32,29.58 ; 65.32,79.58 61.96,79.58 J22.1 ; v1(73.18,44.89) 73.18,44.68 73.84,44.02 78.31,44.02 78.43,44.14 78.47,44.14 78.79,44.46 78.79,44.5 79.57,45.28 v1(79.57,46.02) 79.94,46.39 79.94,50.18 v1(79.46,50.66) ; v1(24.18,76.9) 24.01,77.07 JP14.2 18.9,78.02 17.34,79.58 15.32,79.58 ; 65.32,29.58 67.34,29.58 68.9,28.02 JP34.2 74.01,27.07 v1(74.18,26.9) ; 65.32,29.58 64.69,28.95 JP35.2 ; 15.32,104.58 14.69,103.95 JP7.2 ; 15.32,104.58 17.34,104.58 18.9,103.02 JP6.2 24.01,102.07 v1(24.18,101.9) ; v1(98.18,19.89) 98.18,19.68 98.84,19.02 103.31,19.02 103.43,19.14 103.47,19.14 103.79,19.46 103.79,19.5 104.57,20.28 v1(104.57,21.02) 104.94,21.39 104.94,25.18 v1(104.46,25.66) ; v1(73.18,69.89) 73.18,69.68 73.84,69.02 78.31,69.02 78.43,69.14 78.47,69.14 78.79,69.46 78.79,69.5 79.57,70.28 v1(79.57,71.02) 79.94,71.39 79.94,75.18 v1(79.46,75.66) ; 90.32,29.58 86.96,29.58 J1.1 ; 90.32,29.58 92.34,29.58 93.9,28.02 JP4.2 99.01,27.07 v1(99.18,26.9) ; 90.32,104.58 86.96,104.58 J13.1 ; 90.32,104.58 89.69,103.95 JP13.2 ; v1(73.18,94.89) 73.18,94.68 73.84,94.02 78.31,94.02 78.43,94.14 78.47,94.14 78.79,94.46 78.79,94.5 79.57,95.28 v1(79.57,96.02) 79.94,96.39 79.94,100.18 v1(79.46,100.66) ; v1(104,75.66) 104.46,75.66 104.94,75.18 104.94,71.39 v1(104.57,71.02) 104.57,70.28 103.79,69.5 103.79,69.46 103.47,69.14 103.43,69.14 103.31,69.02 98.84,69.02 98.18,69.68 v1(98.18,69.89) ; v1(48.18,19.89) 48.18,19.68 48.84,19.02 53.31,19.02 53.43,19.14 53.47,19.14 53.79,19.46 53.79,19.5 54.57,20.28 v1(54.57,21.02) 54.94,21.39 54.94,25.18 v1(54.46,25.66)
